# Altium PCB DIOT_temperature_logger.PcbDoc (part 1 of 8) (continued)
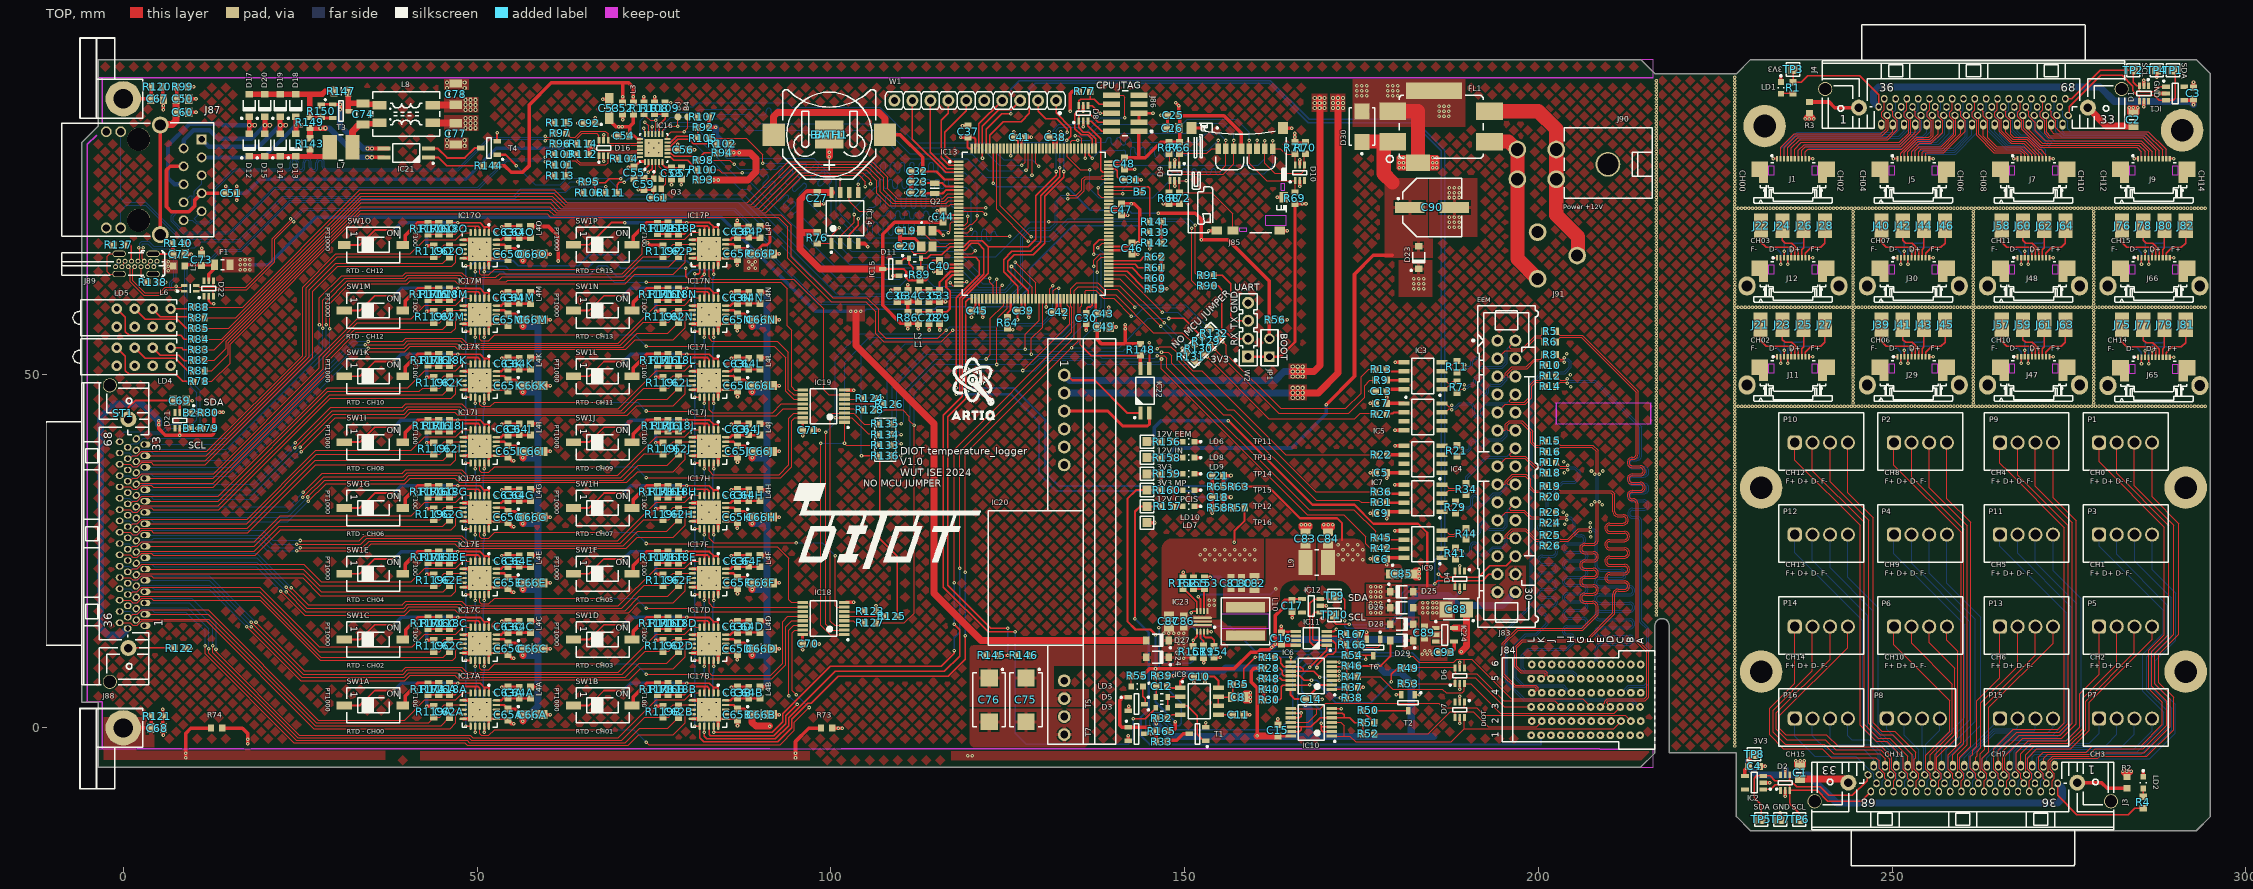
[diagram p0: TOP view]
## Design rules (kind name [scope] priority, off if disabled: settings) (continued)
RoutingVias [All] p2: holewidth=0.2 width=0.5 viastyle="Through Hole" minholewidth=0.2 minwidth=0.5 maxholewidth=1 maxwidth=2 viatemplateguid#1={F578D057-30EB-4709-90BA-9E25A9306484} viatemplateguid#2={B5D767B0-96F0-490E-9621-DF468C9DD5C8} viatemplateguid#3={A86ABFB5-DEF7-4A39-8B53-0CFF0DEED7D0} viatemplateguid#4={CC3703E4-4F4D-4ECC-8BAE-5075FE03B580} viatemplatename#1=v50h20m0mx0 viatemplatename#2=v66h33m0mx0 viatemplatename#3=v60h30 viatemplatename#4=v70h40m0mx0
SMDToCorner [All] p1: distance=0
SignalStimulus [All] p1: kind=1 level=0 starttime=10.00n stoptime=60.00n periodtime=100.0n
SilkToSilkClearance [All] p1: silktosilkclearance=0.076
SilkToSolderMaskClearance SilkscreenOverComponentPads [IsPad] p1: minsilkscreentomaskgap=0.102 clearancetoexposedcopper=TRUE
SolderMaskExpansion Via [isVia] p1: expansion=-0.015 istentingtop=TRUE
SolderMaskExpansion [All] p2: expansion=0.015 istentingtop=FALSE
StubLength StubLength_USB [InNetClass('USB')] p1: limit=1.27
StubLength StubLength_PHY_T [InNetClass('PHY_T')] p2: limit=1.27
StubLength StubLength_PHT [InNetClass('PHY')] p3: limit=1.27
StubLength StubLength_SD [All] p4: limit=1.27
StubLength StubLength_RMII [InNetClass('RMII')] p5: limit=1.27
SupplyNets "Schematic Supply Nets_26" [InNet('GND7')] p1: voltage=0.000
SupplyNets "Schematic Supply Nets_25" [InNet('GND8')] p2: voltage=0.000
SupplyNets "Schematic Supply Nets_24" [InNet('GND9')] p3: voltage=0.000
SupplyNets "Schematic Supply Nets_23" [InNet('GND6')] p4: voltage=0.000
SupplyNets "Schematic Supply Nets_22" [InNet('GND10')] p5: voltage=0.000
SupplyNets "Schematic Supply Nets_21" [InNet('GND3')] p6: voltage=0.000
SupplyNets "Schematic Supply Nets_20" [InNet('GND5')] p7: voltage=0.000
SupplyNets "Schematic Supply Nets_19" [InNet('GND4')] p8: voltage=0.000
SupplyNets "Schematic Supply Nets_17" [InNet('GND2')] p9: voltage=0.000
SupplyNets "Schematic Supply Nets_5" [InNet('GND1')] p10: voltage=0.000
SupplyNets "Schematic Supply Nets_18" [InNet('CHASSIS')] p11: voltage=0.000
SupplyNets "Schematic Supply Nets_8" [InNet('P3V3_EXP2')] p12: voltage=0.000
SupplyNets "Schematic Supply Nets_3" [InNet('P3V3_EXP1')] p13: voltage=0.000
SupplyNets "Schematic Supply Nets_16" [InNet('P12V0_CPCIS')] p14: voltage=0.000
SupplyNets "Schematic Supply Nets_15" [InNet('5V0_USB')] p15: voltage=0.000
SupplyNets "Schematic Supply Nets_14" [InNet('P12V0_IN')] p16: voltage=0.000
SupplyNets "Schematic Supply Nets_13" [InNet('GND')] p17: voltage=0.000
SupplyNets "Schematic Supply Nets_12" [InNet('P3V3_CPCIS')] p18: voltage=0.000
SupplyNets "Schematic Supply Nets_11" [InNet('P3V3')] p19: voltage=0.000
SupplyNets "Schematic Supply Nets_10" [InNet('P12V0F')] p20: voltage=0.000
SupplyNets "Schematic Supply Nets_9" [InNet('P12V0_POE')] p21: voltage=0.000
SupplyNets "Schematic Supply Nets_7" [InNet('P3V3_MP')] p22: voltage=0.000
SupplyNets "Schematic Supply Nets_6" [InNet('VBUS')] p23: voltage=0.000
SupplyNets "Schematic Supply Nets_4" [InNet('AVDDT_PHY')] p24: voltage=0.000
SupplyNets "Schematic Supply Nets_2" [InNet('VIN')] p25: voltage=0.000
SupplyNets "Schematic Supply Nets_1" [InNet('GNDF')] p26: voltage=0.000
SupplyNets "Schematic Supply Nets" [InNet('P12V0_EEM')] p27: voltage=0.000
UnRoutedNet [All] p1: checkbadconnections=TRUE
ViasUnderSMD ViasUnderSMD_QFN [HasFootprint('TSSOP28-EP') or HasFootprint('QFN65P500X500X80-21N-S335') or HasFootprint('QFN24_0R5_4X4') or HasFootprint('HVQFN-16') or HasFootprint('MICROCHIP_C04-143B')] p1: allowed=TRUE
ViasUnderSMD [All] p2: allowed=FALSE
Width Width_SDCard [InNetClass('SD')] p1: maxlimit=0.406 minlimit=0.102 preferedwidth=0.171 midlayer1_maxwidth=0.305 midlayer1_prefwidth=0.134 midlayer2_maxwidth=0.305 midlayer2_prefwidth=0.134 impedanceprofiledriven=TRUE impedanceprofileid={20DC70F6-4B95-4518-9551-CADF6722EEF5} impedanceprofilevalue=50.000000 minimp=50.000000 maximp=50.000000 favimp=50.000000
Width QSPI [InNetClass('QSPI')] p2: maxlimit=0.406 minlimit=0.102 preferedwidth=0.171 midlayer1_maxwidth=0.305 midlayer1_prefwidth=0.134 midlayer2_maxwidth=0.305 midlayer2_prefwidth=0.134 impedanceprofiledriven=TRUE impedanceprofileid={86676834-1970-432C-9602-162800B75D81} impedanceprofilevalue=50.000000 minimp=50.000000 maximp=50.000000 favimp=50.000000
Width RMII [InNetClass('RMII')] p3: maxlimit=0.203 minlimit=0.127 preferedwidth=0.171 toplayer_minwidth=0.152 midlayer1_prefwidth=0.134 midlayer2_prefwidth=0.134 bottomlayer_minwidth=0.152 impedanceprofiledriven=TRUE impedanceprofileid={95436CA8-0AF9-48FC-8836-A3859236161A} impedanceprofilevalue=50.000000 minimp=50.000000 maximp=50.000000 favimp=50.000000
Width Width_HPOW [InNetClass('HPOW')] p4: maxlimit=4 minlimit=0.254 preferedwidth=0.5
Width [All] p5: maxlimit=2 minlimit=0.1 preferedwidth=0.2 checkconnectedcopper=TRUE
17 further rules are at their usual default settings.

## Classes and differential pairs
polygon class COPPER_BALANCING: COPPER_BALLANCE_BOT COPPER_BALLANCE_TOP
net class SITempNetClass: 5V0_USB AVDDT_PHY CHASSIS GND GNDF P3V3 P3V3_CPCIS P3V3_EXP1 P3V3_EXP2 P3V3_MP P12V0_CPCIS P12V0_EEM P12V0_IN P12V0_POE P12V0F VBUS VIN
net class SITempNetClass: 5V0_USB AVDDT_PHY CHASSIS GND GNDF P3V3 P3V3_CPCIS P3V3_EXP1 P3V3_EXP2 P3V3_MP P12V0_CPCIS P12V0_EEM P12V0_IN P12V0_POE P12V0F VBUS VIN
net class SITempNetClass: 5V0_USB AVDDT_PHY CHASSIS GND GNDF P3V3 P3V3_CPCIS P3V3_EXP1 P3V3_EXP2 P3V3_MP P12V0_CPCIS P12V0_EEM P12V0_IN P12V0_POE P12V0F VBUS VIN
net class SITempNetClass: 5V0_USB AVDDT_PHY GND GNDF P3V3 P3V3_CPCIS P3V3_EXP1 P3V3_EXP2 P3V3_MP P12V0_CPCIS P12V0_EEM P12V0_IN P12V0_POE P12V0F VBUS VIN
net class SITempNetClass: 5V0_USB AVDDT_PHY GND GNDF P3V3 P3V3_CPCIS P3V3_EXP1 P3V3_EXP2 P3V3_MP P12V0_CPCIS P12V0_EEM P12V0_IN P12V0_POE P12V0F VBUS VIN
net class "Adapter T": TFORCE_N00 TFORCE_N01 TFORCE_N02 TFORCE_N03 TFORCE_N04 TFORCE_N05 TFORCE_N06 TFORCE_N07 TFORCE_N08 TFORCE_N09 TFORCE_N10 TFORCE_N11 TFORCE_N12 TFORCE_N13 TFORCE_N14 TFORCE_N15 TFORCE_P00 TFORCE_P01 TFORCE_P02 TFORCE_P03 TFORCE_P04 TFORCE_P05 TFORCE_P06 TFORCE_P07 TFORCE_P08 TFORCE_P09 TFORCE_P10 TFORCE_P11 TFORCE_P12 TFORCE_P13 TFORCE_P14 TFORCE_P15
component class Designator: C1 C2 C3 C4 D1 D2 IC1 IC2 J1 J2 J3 J4 J5 J6 J7 J8 J9 J10 J11 J12 J13 J14 J15 J16 J17 J18 J19 J20 J21 J22 J23 J24 J25 J26 J27 J28 J29 J30 J31 J32 J33 J34 J35 J36 J37 J38 J39 J40 J41 J42 J43 J44 J45 J46 J47 J48 J49 J50 J51 J52 J53 J54 J55 J56 J57 J58 J59 J60 J61 J62 J63 J64 J65 J66 J67 J68 J69 J70 J71 J72 J73 J74 J75 J76 J77 J78 J79 J80 J81 J82 LD1 LD2 P1 P2 P3 P4 P5 P6 P7 P8 P9 P10 P11 P12 P13 P14 P15 P16 R1 R2 R3 R4 TP1 TP2 TP3 TP4 TP5 TP6 TP7 TP8
net class SITempNetClass: 3V3 5V0_USB AVDDT_PHY GND GNDF P3V3 P3V3_CPCIS P3V3_MP P12V0_CPCIS P12V0_EEM P12V0_IN P12V0_POE P12V0F PHY_NRST RMII_CRS_DV RMII_REF_CLK RMII_RXD0 RMII_RXD1 RMII_TX_EN RMII_TXD0 RMII_TXD1 USB_N USB_P USBJ_N USBJ_P VBUS VIN
differential pair class PHY: PHY_RD PHY_TD
differential pair class PHY_T: RD TD
differential pair class USB: USB USBJ
differential pair class LVDS: BP_IO.LVDS0 BP_IO.LVDS1 BP_IO.LVDS2 BP_IO.LVDS3 BP_IO.LVDS4 BP_IO.LVDS5 BP_IO.LVDS6 BP_IO.LVDS7 LVDS0 LVDS1 LVDS2 LVDS3 LVDS4 LVDS5 LVDS6 LVDS7
net class PHY_T: RD_N RD_P TD_N TD_P
net class CS_MAX: MAX_CH_A0 MAX_CH_A1 MAX_CH_A2 MAX_CH_A3 MAX_CS00 MAX_CS01 MAX_CS02 MAX_CS03 MAX_CS04 MAX_CS05 MAX_CS06 MAX_CS07 MAX_CS08 MAX_CS09 MAX_CS10 MAX_CS11 MAX_CS12 MAX_CS13 MAX_CS14 MAX_CS15
net class POWE: 3V3 5V0_USB P3V3 P3V3_CPCIS P3V3_MP P12V0_CPCIS P12V0_EEM P12V0_IN P12V0_POE P12V0F POE_VC+ POE_VC- USB_VBUS VBAT VBUS VC+ VC- VDDA VDDCR VIN VREF+
net class JTAG: JRST RSTn SWCLK SWDIO TDI TDO
net class BP_IO: BP_IO.LVDS0_N BP_IO.LVDS0_P BP_IO.LVDS1_N BP_IO.LVDS1_P BP_IO.LVDS2_N BP_IO.LVDS2_P BP_IO.LVDS3_N BP_IO.LVDS3_P BP_IO.LVDS4_N BP_IO.LVDS4_P BP_IO.LVDS5_N BP_IO.LVDS5_P BP_IO.LVDS6_N BP_IO.LVDS6_P BP_IO.LVDS7_N BP_IO.LVDS7_P
net class USB: USB_N USB_P USBJ_N USBJ_P
net class DEBUG: JRST RSTn SWCLK SWDIO TDI TDO
net class SPI: CSN EEM_GPIO_0 EEM_GPIO_1 EEM_GPIO_2 EEM_GPIO_3 EEM_SCK EEM_SDI EEM_SDO SPI1_MISO SPI1_MOSI SPI1_NSS SPI1_SCK SPI4_CLK SPI4_MISO SPI4_MOSI SPI4_NSS
net class QSPI: QSPI_BK1_CLK QSPI_BK1_D0 QSPI_BK1_D1 QSPI_BK1_D2 QSPI_BK1_D3 QSPI_BK1_NSS
net class SD: SD_CK SD_CMD SD_D0 SD_D1 SD_D2 SD_D3
net class LVDS: LVDS0_N LVDS0_P LVDS1_N LVDS1_P LVDS2_N LVDS2_P LVDS3_N LVDS3_P LVDS4_N LVDS4_P LVDS5_N LVDS5_P LVDS6_N LVDS6_P LVDS7_N LVDS7_P
net class PHY: PHY_RD_N PHY_RD_P PHY_TD_N PHY_TD_P RD_N RD_P TD_N TD_P
net class RMII: PHY_NRST RMII_CRS_DV RMII_REF_CLK RMII_RXD0 RMII_RXD1 RMII_TX_EN RMII_TXD0 RMII_TXD1
net class PWR: P12V0_CPCIS
component class RTD_15: C62P C63P C64P C65P C66P IC17P L4P R116P R117P R118P R119P SW1P
component class RTD_14: C62O C63O C64O C65O C66O IC17O L4O R116O R117O R118O R119O SW1O
component class RTD_13: C62N C63N C64N C65N C66N IC17N L4N R116N R117N R118N R119N SW1N
component class RTD_12: C62M C63M C64M C65M C66M IC17M L4M R116M R117M R118M R119M SW1M
component class RTD_11: C62L C63L C64L C65L C66L IC17L L4L R116L R117L R118L R119L SW1L
component class RTD_10: C62K C63K C64K C65K C66K IC17K L4K R116K R117K R118K R119K SW1K
component class RTD_09: C62J C63J C64J C65J C66J IC17J L4J R116J R117J R118J R119J SW1J
component class RTD_08: C62I C63I C64I C65I C66I IC17I L4I R116I R117I R118I R119I SW1I
component class RTD_07: C62H C63H C64H C65H C66H IC17H L4H R116H R117H R118H R119H SW1H
component class RTD_06: C62G C63G C64G C65G C66G IC17G L4G R116G R117G R118G R119G SW1G
component class RTD_05: C62F C63F C64F C65F C66F IC17F L4F R116F R117F R118F R119F SW1F
component class RTD_04: C62E C63E C64E C65E C66E IC17E L4E R116E R117E R118E R119E SW1E
channel class RTD: RTD_00 RTD_01 RTD_02 RTD_03 RTD_04 RTD_05 RTD_06 RTD_07 RTD_08 RTD_09 RTD_10 RTD_11 RTD_12 RTD_13 RTD_14 RTD_15
component class RTD_03: C62D C63D C64D C65D C66D IC17D L4D R116D R117D R118D R119D SW1D
component class RTD_02: C62C C63C C64C C65C C66C IC17C L4C R116C R117C R118C R119C SW1C
component class RTD_01: C62B C63B C64B C65B C66B IC17B L4B R116B R117B R118B R119B SW1B
component class RTD_00: C62A C63A C64A C65A C66A IC17A L4A R116A R117A R118A R119A SW1A
net class HPOW: NetC74_1 NetC74_2 P12V0_POE POE_VC+ POE_VC- VC+ VC- VIN
component class EEM_connector: C5 C6 C7 C8 C9 C10 C11 C12 C13 C14 C15 C16 C17 D3 D4 D5 D6 D7 IC3 IC4 IC5 IC6 IC7 IC8 IC9 IC10 IC11 IC12 J83 J84 LD3 R5 R6 R7 R8 R9 R10 R11 R12 R13 R14 R15 R16 R17 R18 R19 R20 R21 R22 R23 R24 R25 R26 R27 R28 R29 R30 R31 R32 R33 R34 R35 R36 R37 R38 R39 R40 R41 R42 R43 R44 R45 R46 R47 R48 R49 R50 R51 R52 R53 R54 R55 R165 R166 R167 T1 T2 T5 T6 T7 TP9 TP10
component class Thermostat_16CH: C67 C68 C69 C70 C71 D21 IC18 IC19 J88 R73 R74 R120 R121 R122 R123 R124 R125 R126 R127 R128 R129 R130 R131 R132 R133 R134 R135 R136 SCREW5 SCREW6 SCREW7 SCREW8 ST1 Standoff1 Standoff2 Standoff4
net class HV: NetC74_1 NetC74_2 NetIC20_3 NetIC21_3 NetIC21_4 POE_IN1 POE_IN2 POE_IN3 POE_IN4 POE_VC+ POE_VC- VC+ VC-
component class USB: C72 C73 D22 F1 J89 L5 L6 R137 R138 R139 R140 R141 R142
component class U_STM32_F4CPU: B1 B2 B5 BAT1 BATH1 C18 C19 C20 C21 C22 C23 C25 C26 C27 C28 C29 C30 C31 C32 C33 C34 C35 C36 C37 C38 C39 C40 C41 C42 C43 C44 C45 C46 C47 C48 C49 D8 D9 D10 D11 IC13 IC14 IC15 J85 J86 JP1 L1 L2 LD4 LD5 Q1 Q2 R56 R57 R58 R59 R60 R61 R62 R63 R64 R65 R66 R67 R68 R69 R70 R71 R72 R76 R77 R78 R79 R80 R81 R82 R83 R84 R85 R86 R87 R88 R89 R90 R91 W1 W2
component class RMII_Ethernet: B3 B4 C50 C51 C52 C53 C54 C55 C56 C57 C58 C59 C60 C61 C92 D12 D13 D14 D15 D16 D17 D18 D19 D20 IC16 J87 L3 R92 R93 R94 R95 R96 R97 R98 R99 R100 R101 R102 R103 R104 R105 R106 R107 R108 R109 R110 R111 R112 R113 R114 R115
component class U_Thermostat_Supply: C74 C75 C76 C77 C78 C79 C80 C81 C82 C83 C84 C85 C86 C87 C88 C89 C90 C93 D23 D24 D25 D26 D27 D28 D29 D30 FL1 IC20 IC21 IC22 IC23 IC24 J90 J91 L7 L8 L9 L10 LD6 LD7 LD8 LD9 LD10 R143 R144 R145 R146 R147 R148 R149 R150 R151 R152 R153 R154 R155 R156 R157 R158 R159 R160 T3 T4 TP11 TP12 TP13 TP14 TP15 TP16
differential pair BP_IO.LVDS1: +BP_IO.LVDS1_P -BP_IO.LVDS1_N
differential pair BP_IO.LVDS0: +BP_IO.LVDS0_P -BP_IO.LVDS0_N
differential pair BP_IO.LVDS3: +BP_IO.LVDS3_P -BP_IO.LVDS3_N
differential pair BP_IO.LVDS7: +BP_IO.LVDS7_P -BP_IO.LVDS7_N
differential pair BP_IO.LVDS6: +BP_IO.LVDS6_P -BP_IO.LVDS6_N
differential pair BP_IO.LVDS5: +BP_IO.LVDS5_P -BP_IO.LVDS5_N
differential pair BP_IO.LVDS4: +BP_IO.LVDS4_P -BP_IO.LVDS4_N
differential pair BP_IO.LVDS2: +BP_IO.LVDS2_P -BP_IO.LVDS2_N
differential pair LVDS7: +LVDS7_P -LVDS7_N
differential pair LVDS6: +LVDS6_P -LVDS6_N
differential pair LVDS5: +LVDS5_P -LVDS5_N
differential pair LVDS4: +LVDS4_P -LVDS4_N
differential pair LVDS3: +LVDS3_P -LVDS3_N
differential pair LVDS2: +LVDS2_P -LVDS2_N
differential pair LVDS1: +LVDS1_P -LVDS1_N
differential pair LVDS0: +LVDS0_P -LVDS0_N
differential pair TD: +TD_P -TD_N
differential pair RD: +RD_P -RD_N
differential pair USB: +USB_P -USB_N
differential pair USBJ: +USBJ_P -USBJ_N
differential pair PHY_TD: +PHY_TD_P -PHY_TD_N
differential pair PHY_RD: +PHY_RD_P -PHY_RD_N

## Components (designator, comment, footprint, x,y, rotation, side; value= is the part's Value field where it differs from the comment)
B1 "SMD Pad" C100 9.48,42.35 r90 top
B2 "SMD Pad" C100 9.48,44.55 r90 top
B3 "SMD Pad" C100 78.38,86.35 r0 top
B4 "SMD Pad" C100 79.78,86.35 r0 top
B5 "SMD Pad" C100 143.78,75.75 r90 top
BAT1 "3V" BAT_VARTA_CR1220 99.78,83.85 r0 top
BATH1 "Value" BATH_KEYSTONE_3000 99.78,83.85 r0 top locked
C1 "Undefined" CAPC2012X135N 236.98,-6.35 r270 top
C2 "Undefined" CAPC2012X135N 284.08,85.95 r270 top
C3 "100nF" CAPC1608X87N 292.58,89.65 r270 top
C4 "100nF" CAPC1608X87N 230.48,-5.45 r180 top
C5 "100nF" CAPC1608X87N 177.78,36.05 r180 top
C6 "100nF" CAPC1608X87N 177.78,23.85 r180 top
C7 "100nF" CAPC1608X87N 177.78,45.85 r0 top
C8 "22uF" CAPC2012X135N 157.58,4.35 r180 top
C9 "100nF" CAPC1608X87N 177.78,30.35 r180 top
C10 "100nF" CAPC1608X87N 152.08,7.25 r0 top
C11 "100nF" CAPC1608X87N 157.58,1.85 r180 top
C12 "1uF" CAPC1608X87N 146.78,5.85 r180 top
C13 "100nF" CAPC1608X87N 177.78,47.55 r180 top
C14 "100nF" CAPC1608X87N 167.88,4.05 r180 top
C15 "100nF" CAPC1608X87N 163.18,-0.35 r270 top
C16 "100nF" CAPC1608X87N 163.68,12.65 r270 top
C17 "100nF" CAPC1608X87N 165.18,17.25 r90 top
C18 "100nF" CAPC1608X87N 154.68,32.6 r0 top
C19 "18pF" CAPC1608X87N 110.58,70.25 r0 top
C20 "18pF" CAPC1608X87N 110.58,68.05 r180 top
C21 "100nF" CAPC1608X87N 154.68,35.65 r0 top
C22 "12pF" CAPC1608X87N 112.18,75.65 r180 top
C23 "12pF" CAPC1608X87N 112.18,77.15 r180 top
C25 "100nF" CAPC1608X87N 148.38,86.55 r0 top
C26 "22uF" CAPC2012X135N 148.28,84.75 r0 top
C27 "100nF" CAPC1608X87N 98.08,74.85 r90 top
C28 "1uF" CAPC1608X87N 113.88,57.95 r90 top
C29 "10nF" CAPC1608X87N 115.38,57.95 r90 top
C30 "2.2uF" CAPC1608X90N 136.08,57.85 r90 top
C31 "2.2uF" CAPC1608X90N 142.28,77.45 r180 top
C32 "100nF" CAPC1608X87N 112.18,78.65 r0 top
C33 "10nF" CAPC1608X87N 115.38,61.05 r90 top
C34 "1uF" CAPC1608X87N 110.88,61.05 r270 top
C35 "100nF" CAPC1608X87N 113.88,61.05 r90 top
C36 "100nF" CAPC1608X87N 109.38,61.05 r270 top
C37 "100nF" CAPC1608X87N 119.405,84.275 r270 top
C38 "100nF" CAPC1608X87N 131.68,83.45 r180 top
C39 "100nF" CAPC1608X87N 127.18,58.95 r0 top
C40 "100nF" CAPC1608X87N 115.38,65.25 r90 top
C41 "100nF" CAPC1608X87N 126.68,83.45 r180 top
C42 "100nF" CAPC1608X87N 132.18,58.75 r0 top
C43 "100nF" CAPC1608X87N 138.48,58.55 r180 top
C44 "100nF" CAPC1608X87N 115.88,72.25 r270 top
C45 "100nF" CAPC1608X87N 120.68,58.95 r0 top
C46 "100nF" CAPC1608X87N 142.58,67.75 r90 top
C47 "100nF" CAPC1608X87N 141.08,73.25 r90 top
C48 "100nF" CAPC1608X87N 141.48,79.75 r90 top
C49 "22uF" CAPC2012X135N 138.58,56.65 r180 top
C50 "Undefined" CAPC2012X135N 8.38,88.9 r0 top
C51 "100nF" CAPC1608X87N 15.255,75.55 r180 top
C52 "100nF" CAPC1608X87N 70.58,87.55 r90 top
C53 "10uF" CAPMP3216X180N 68.68,87.55 r90 top
C54 "100nF" CAPC1608X87N 70.755,83.65 r0 top
C55 "100nF" CAPC1608X87N 72.18,78.45 r90 top
C56 "100nF" CAPC1608X87N 79.155,81.7 r180 top
C57 "1uF" CAPC1608X87N 78.88,78.35 r90 top
C58 "10nF" CAPC1608X87N 77.48,78.35 r90 top
C59 "18pF" CAPC1608X87N 73.58,76.85 r90 top
C60 "Undefined" CAPC2012X135N 8.38,87 r0 top
C61 "18pF" CAPC1608X87N 75.48,74.95 r0 top
C62A "100nF" CAPC1608X87N 46.08,2.275 r90 top (schematic designator C62)
C62B "100nF" CAPC1608X87N 78.48,2.275 r90 top (schematic designator C62)
C62C "100nF" CAPC1608X87N 46.08,11.575 r90 top (schematic designator C62)
C62D "100nF" CAPC1608X87N 78.48,11.575 r90 top (schematic designator C62)
C62E "100nF" CAPC1608X87N 46.08,20.875 r90 top (schematic designator C62)
C62F "100nF" CAPC1608X87N 78.48,20.875 r90 top (schematic designator C62)
C62G "100nF" CAPC1608X87N 46.08,30.175 r90 top (schematic designator C62)
C62H "100nF" CAPC1608X87N 78.48,30.175 r90 top (schematic designator C62)
C62I "100nF" CAPC1608X87N 46.08,39.475 r90 top (schematic designator C62)
C62J "100nF" CAPC1608X87N 78.48,39.475 r90 top (schematic designator C62)
C62K "100nF" CAPC1608X87N 46.08,48.775 r90 top (schematic designator C62)
C62L "100nF" CAPC1608X87N 78.48,48.775 r90 top (schematic designator C62)
C62M "100nF" CAPC1608X87N 46.08,58.075 r90 top (schematic designator C62)
C62N "100nF" CAPC1608X87N 78.48,58.075 r90 top (schematic designator C62)
C62O "100nF" CAPC1608X87N 46.08,67.35 r90 top (schematic designator C62)
C62P "100nF" CAPC1608X87N 78.48,67.375 r90 top (schematic designator C62)
C63A "100nF" CAPC1608X87N 54.38,4.975 r270 top (schematic designator C63)
C63B "100nF" CAPC1608X87N 86.78,4.975 r270 top (schematic designator C63)
C63C "100nF" CAPC1608X87N 54.38,14.275 r270 top (schematic designator C63)
C63D "100nF" CAPC1608X87N 86.78,14.275 r270 top (schematic designator C63)
C63E "100nF" CAPC1608X87N 54.38,23.575 r270 top (schematic designator C63)
C63F "100nF" CAPC1608X87N 86.78,23.575 r270 top (schematic designator C63)
C63G "100nF" CAPC1608X87N 54.38,32.875 r270 top (schematic designator C63)
C63H "100nF" CAPC1608X87N 86.78,32.875 r270 top (schematic designator C63)
C63I "100nF" CAPC1608X87N 54.38,42.175 r270 top (schematic designator C63)
C63J "100nF" CAPC1608X87N 86.78,42.175 r270 top (schematic designator C63)
C63K "100nF" CAPC1608X87N 54.38,51.475 r270 top (schematic designator C63)
C63L "100nF" CAPC1608X87N 86.78,51.475 r270 top (schematic designator C63)
C63M "100nF" CAPC1608X87N 54.38,60.775 r270 top (schematic designator C63)
C63N "100nF" CAPC1608X87N 86.78,60.775 r270 top (schematic designator C63)
C63O "100nF" CAPC1608X87N 54.38,70.05 r270 top (schematic designator C63)
C63P "100nF" CAPC1608X87N 86.78,70.075 r270 top (schematic designator C63)
C64A "2.2uF" CAPC1608X90N 55.98,4.975 r270 top (schematic designator C64)
C64B "2.2uF" CAPC1608X90N 88.38,4.975 r270 top (schematic designator C64)
C64C "2.2uF" CAPC1608X90N 55.98,14.275 r270 top (schematic designator C64)
C64D "2.2uF" CAPC1608X90N 88.38,14.275 r270 top (schematic designator C64)
C64E "2.2uF" CAPC1608X90N 55.98,23.575 r270 top (schematic designator C64)
C64F "2.2uF" CAPC1608X90N 88.38,23.575 r270 top (schematic designator C64)
C64G "2.2uF" CAPC1608X90N 55.98,32.875 r270 top (schematic designator C64)
C64H "2.2uF" CAPC1608X90N 88.38,32.875 r270 top (schematic designator C64)
C64I "2.2uF" CAPC1608X90N 55.98,42.175 r270 top (schematic designator C64)
C64J "2.2uF" CAPC1608X90N 88.38,42.175 r270 top (schematic designator C64)
C64K "2.2uF" CAPC1608X90N 55.98,51.475 r270 top (schematic designator C64)
C64L "2.2uF" CAPC1608X90N 88.38,51.475 r270 top (schematic designator C64)
C64M "2.2uF" CAPC1608X90N 55.98,60.775 r270 top (schematic designator C64)
C64N "2.2uF" CAPC1608X90N 88.38,60.775 r270 top (schematic designator C64)
C64O "2.2uF" CAPC1608X90N 55.98,70.05 r270 top (schematic designator C64)
C64P "2.2uF" CAPC1608X90N 88.38,70.075 r270 top (schematic designator C64)
C65A "100nF" CAPC1608X87N 54.38,1.875 r90 top (schematic designator C65)
C65B "100nF" CAPC1608X87N 86.78,1.875 r90 top (schematic designator C65)
C65C "100nF" CAPC1608X87N 54.38,11.175 r90 top (schematic designator C65)
C65D "100nF" CAPC1608X87N 86.78,11.175 r90 top (schematic designator C65)
C65E "100nF" CAPC1608X87N 54.38,20.475 r90 top (schematic designator C65)
C65F "100nF" CAPC1608X87N 86.78,20.475 r90 top (schematic designator C65)
C65G "100nF" CAPC1608X87N 54.38,29.775 r90 top (schematic designator C65)
C65H "100nF" CAPC1608X87N 86.78,29.775 r90 top (schematic designator C65)
C65I "100nF" CAPC1608X87N 54.38,39.075 r90 top (schematic designator C65)
C65J "100nF" CAPC1608X87N 86.78,39.075 r90 top (schematic designator C65)
C65K "100nF" CAPC1608X87N 54.38,48.375 r90 top (schematic designator C65)
C65L "100nF" CAPC1608X87N 86.78,48.375 r90 top (schematic designator C65)
C65M "100nF" CAPC1608X87N 54.38,57.675 r90 top (schematic designator C65)
C65N "100nF" CAPC1608X87N 86.78,57.675 r90 top (schematic designator C65)
C65O "100nF" CAPC1608X87N 54.38,66.95 r90 top (schematic designator C65)
C65P "100nF" CAPC1608X87N 86.78,66.975 r90 top (schematic designator C65)
C66A "10uF" CAPMP3216X180N 57.78,1.875 r0 top (schematic designator C66)
C66B "10uF" CAPMP3216X180N 90.18,1.875 r0 top (schematic designator C66)
C66C "10uF" CAPMP3216X180N 57.78,11.175 r0 top (schematic designator C66)
C66D "10uF" CAPMP3216X180N 90.18,11.175 r0 top (schematic designator C66)
C66E "10uF" CAPMP3216X180N 57.79,20.475 r0 top (schematic designator C66)
C66F "10uF" CAPMP3216X180N 90.18,20.475 r0 top (schematic designator C66)
C66G "10uF" CAPMP3216X180N 57.78,29.775 r0 top (schematic designator C66)
C66H "10uF" CAPMP3216X180N 90.18,29.775 r0 top (schematic designator C66)
C66I "10uF" CAPMP3216X180N 57.78,39.075 r0 top (schematic designator C66)
C66J "10uF" CAPMP3216X180N 90.18,39.075 r0 top (schematic designator C66)
C66K "10uF" CAPMP3216X180N 57.78,48.375 r0 top (schematic designator C66)
C66L "10uF" CAPMP3216X180N 90.18,48.375 r0 top (schematic designator C66)
C66M "10uF" CAPMP3216X180N 57.78,57.675 r0 top (schematic designator C66)
C66N "10uF" CAPMP3216X180N 90.18,57.675 r0 top (schematic designator C66)
C66O "10uF" CAPMP3216X180N 57.78,66.95 r0 top (schematic designator C66)
C66P "10uF" CAPMP3216X180N 90.18,66.975 r0 top (schematic designator C66)
C67 "Undefined" CAPC2012X135N 4.78,88.9 r0 top
C68 "Undefined" CAPC2012X135N 4.78,-0.05 r0 top
C69 "Undefined" CAPC2012X135N 7.98,46.25 r180 top
C70 "100nF" CAPC1608X87N 96.78,11.85 r180 top
C71 "100nF" CAPC1608X87N 96.78,42.05 r180 top
C72 "Undefined" CAPC2012X135N 7.88,66.95 r180 top
C73 "100nF" CAPC1608X87N 11.08,66.15 r270 top
C74 "4.7nF" CAPC3216X140N 33.88,86.75 r270 top
C75 "220uF" CAPMP7343X430N 127.58,3.95 r270 top
C76 "220uF" CAPMP7343X430N 122.38,3.95 r270 top
C77 "4.7nF" CAPC3216X140N 46.98,83.95 r90 top
C78 "4.7nF" CAPC3216X140N 46.98,89.55 r270 top
C79 "100nF" CAPC1608X87N 152.68,10.75 r90 top
C80 "100nF" CAPC1608X87N 158.047,20.45 r270 top
C81 "100nF" CAPC1608X87N 156.547,20.45 r270 top
C82 "22uF" CAPC2012X135N 159.88,20.45 r270 top
C83 "22uF" CAPC2012X135N 167.08,26.75 r270 top
C84 "22uF" CAPC2012X135N 170.28,26.75 r270 top
C85 "10uF" CAPMP3216X180N 180.68,21.75 r0 top
C86 "100nF" CAPC1608X87N 149.88,15.05 r270 top
C87 "22uF" CAPC2012X135N 147.78,15.05 r270 top
C88 "2.2uF" CAPMP3528X210N 188.38,16.75 r180 top
C89 "1uF" CAPC1608X87N 183.88,13.45 r90 top
C90 "220uF" CAPAE830X620N 184.98,73.55 r0 top
C92 "100nF" CAPC1608X87N 65.88,85.45 r180 top
C93 "100nF" CAPC1608X87N 186.78,10.65 r0 top
D1 "DRTR5V0U4S-7" SOT65P210X110-6N 285.58,89.65 r270 top
D2 "DRTR5V0U4S-7" SOT65P210X110-6N 234.88,-7.75 r90 top
D3 "CDBU0520-HF" SOD-523F 146.78,2.85 r0 top
D4 "DRTR5V0U4S-7" SOT65P210X110-6N 188.88,21.05 r270 top
D5 "CDBU0520-HF" SOD-523F 146.78,4.35 r0 top
D6 "DRTR5V0U4S-7" SOT65P210X110-6N 188.88,7.35 r90 top
D7 "DRTR5V0U4S-7" SOT65P210X110-6N 188.88,2.55 r270 top
D8 "DRTR5V0U4S-7" SOT65P210X110-6N 135.68,86.85 r90 top
D9 "DRTR5V0U4S-7" SOT65P210X110-6N 148.58,78.45 r270 top
D10 "DRTR5V0U4S-7" SOT65P210X110-6N 166.28,78.45 r90 top
D11 "CDBU0520-HF" SOD-523F 111.88,66.35 r0 top
D12 "PMEG6020ER" SODFL3517X110N 17.78,82.35 r90 top
D13 "PMEG6020ER" SODFL3517X110N 24.38,82.35 r90 top
D14 "PMEG6020ER" SODFL3517X110N 22.18,82.35 r90 top
D15 "PMEG6020ER" SODFL3517X110N 19.98,82.35 r90 top
D16 "DRTR5V0U4S-7" SOT65P210X110-6N 67.88,81.95 r90 top
D17 "PMEG6020ER" SODFL3517X110N 17.78,87.95 r90 top
D18 "PMEG6020ER" SODFL3517X110N 24.38,87.95 r90 top
D19 "PMEG6020ER" SODFL3517X110N 22.18,87.95 r90 top
D20 "PMEG6020ER" SODFL3517X110N 19.98,87.95 r90 top
D21 "DRTR5V0U4S-7" SOT65P210X110-6N 7.98,43.45 r270 top
D22 "DRTR5V0U4S-7" SOT65P210X110-6N 12.08,62.1 r90 top
D23 "PMEG6020ER" SODFL3517X110N 183.08,66.45 r90 top
D24 "PMEG6020ER" SODFL3517X110N 146.18,9.95 r180 top
D25 "PMEG6020ER" SODFL3517X110N 180.68,19.25 r0 top
D26 "PMEG6020ER" SODFL3517X110N 180.68,16.95 r0 top
D27 "PMEG6020ER" SODFL3517X110N 146.18,12.35 r180 top
D28 "PMEG6020ER" SODFL3517X110N 180.68,14.65 r180 top
D29 "PMEG6020ER" SODFL3517X110N 180.68,12.35 r180 top
D30 "SMBJ15A" DIOM5336X265N 175.055,84.95 r90 top
F1 "500mA-6V" FUSR_BOURNS_MF-PSMF050 14.005,65.45 r180 top
FL1 "10A/50VDC" FIL_MURATA_BNX02 186.255,84.95 r180 top
IC1 "24AA02E48T-I/OT" SOT95P280X145-5N 289.98,89.65 r0 top
IC2 "24AA02E48T-I/OT" SOT95P280X145-5N 230.48,-7.75 r180 top
IC3 "FIN1028MX" SOIC127P600X175-8N 183.68,49.75 r180 top
IC4 "FIN1028MX" SOIC127P600X175-8N 183.68,37.95 r180 top
IC5 "FIN1027AMX" SOIC127P600X175-8N 183.68,43.95 r0 top
IC6 "74HC4066PW" SOP65P640X110-14N 167.88,7.35 r180 top
IC7 "FIN1028MX" SOIC127P600X175-8N 183.68,32.45 r180 top
IC8 "TLC555ID" SOIC127P600X175-8N 152.08,3.75 r0 top
IC9 "FIN1028MX" SOIC127P600X175-8N 183.68,25.95 r180 top
IC10 "74HC4066PW" SOP65P640X110-14N 167.88,0.775 r180 top
IC11 "LM75AIMM/NOPB" SOP65P490X109-8N 167.88,12.65 r180 top
IC12 "24AA02E48T-I/OT" SOT95P280X145-5N 167.88,17.25 r180 top
IC13 "STM32H743ZIT6" FP-LQFP144-1A-MFG 128.68,71.25 r0 top locked
IC14 "W25Q128FVSIG" SOIC127P790X216-8N 101.98,72.05 r90 top
IC15 "STM809SWX6F" SOT95P237X112-3N 108.48,64.85 r180 top
IC16 "LAN8742A-CZ" MICROCHIP_C04-143B 74.98,81.95 r90 top
IC17A "MAX31865ATP+" QFN65P500X500X80-21N-S335#1 50.38,2.575 r270 top (schematic designator IC17)
IC17B "MAX31865ATP+" QFN65P500X500X80-21N-S335#1 82.78,2.575 r270 top (schematic designator IC17)
IC17C "MAX31865ATP+" QFN65P500X500X80-21N-S335#1 50.38,11.875 r270 top (schematic designator IC17)
IC17D "MAX31865ATP+" QFN65P500X500X80-21N-S335#1 82.78,11.875 r270 top (schematic designator IC17)
IC17E "MAX31865ATP+" QFN65P500X500X80-21N-S335#1 50.38,21.175 r270 top (schematic designator IC17)
IC17F "MAX31865ATP+" QFN65P500X500X80-21N-S335#1 82.78,21.175 r270 top (schematic designator IC17)
IC17G "MAX31865ATP+" QFN65P500X500X80-21N-S335#1 50.38,30.475 r270 top (schematic designator IC17)
IC17H "MAX31865ATP+" QFN65P500X500X80-21N-S335#1 82.78,30.475 r270 top (schematic designator IC17)
IC17I "MAX31865ATP+" QFN65P500X500X80-21N-S335#1 50.38,39.775 r270 top (schematic designator IC17)
IC17J "MAX31865ATP+" QFN65P500X500X80-21N-S335#1 82.78,39.775 r270 top (schematic designator IC17)
IC17K "MAX31865ATP+" QFN65P500X500X80-21N-S335#2 50.38,49.075 r270 top (schematic designator IC17)
IC17L "MAX31865ATP+" QFN65P500X500X80-21N-S335#1 82.78,49.075 r270 top (schematic designator IC17)
IC17M "MAX31865ATP+" QFN65P500X500X80-21N-S335#1 50.38,58.375 r270 top (schematic designator IC17)
IC17N "MAX31865ATP+" QFN65P500X500X80-21N-S335#1 82.78,58.375 r270 top (schematic designator IC17)
IC17O "MAX31865ATP+" QFN65P500X500X80-21N-S335#1 50.38,67.65 r270 top (schematic designator IC17)
IC17P "MAX31865ATP+" QFN65P500X500X80-21N-S335#1 82.78,67.675 r270 top (schematic designator IC17)
IC18 "74HC138PW" SOP65P640X110-16N 98.955,15.45 r180 top
IC19 "74HC138PW" SOP65P640X110-16N 98.98,45.45 r180 top
IC20 "AG5300" SILVERTEL_AG5300 132.98,24.45 r270 top
IC21 "ACPL-217-500E" SOIC127P700X242-4N 39.98,81.25 r180 top
IC22 "ACPL-217-500E" SOIC127P700X242-4N 144.38,47.65 r90 top
IC23 "TPS62148RGX" TEXAS_RGX0011A 152.48,15.05 r180 top
IC24 "MIC5219-3.3YM5" SOT95P280X145-5N 186.78,13.15 r0 top
J1 "FFC/FPC" MOLEX_52745-1097 235.98,80.45 r0 top
J2 "FFC/FPC" MOLEX_52745-1097 235.98,80.45 r180 bottom
J3 "DNP" MOLEX_71430-0013 259.98,-7.25 r180 top locked
J4 "DNP" MOLEX_71430-0013 261.48,87.15 r0 top locked
J5 "FFC/FPC" MOLEX_52745-1097 252.979,80.45 r0 top
J6 "FFC/FPC" MOLEX_52745-1097 252.98,80.45 r180 bottom
J7 "FFC/FPC" MOLEX_52745-1097 269.98,80.45 r0 top
J8 "FFC/FPC" MOLEX_52745-1097 269.98,80.45 r180 bottom
J9 "FFC/FPC" MOLEX_52745-1097 286.98,80.45 r0 top
J10 "FFC/FPC" MOLEX_52745-1097 286.98,80.45 r180 bottom
J11 "FFC/FPC" MOLEX_52745-1097 235.98,52.45 r0 top
J12 "FFC/FPC" MOLEX_52745-1097 235.98,66.45 r0 top
J13 "SMD Pad" R350X200 231.38,56.95 r270 bottom
J14 "SMD Pad" R350X200 231.48,70.95 r90 bottom
J15 "SMD Pad" R350X200 234.48,56.95 r270 bottom
J16 "SMD Pad" R350X200 234.48,70.95 r90 bottom
J17 "SMD Pad" R350X200 237.48,56.95 r270 bottom
J18 "SMD Pad" R350X200 237.48,70.95 r90 bottom
J19 "SMD Pad" R350X200 240.48,56.95 r270 bottom
J20 "SMD Pad" R350X200 240.48,70.95 r90 bottom
J21 "SMD Pad" R350X200 231.38,56.95 r90 top
J22 "SMD Pad" R350X200 231.48,70.95 r90 top
J23 "SMD Pad" R350X200 234.48,56.95 r90 top
J24 "SMD Pad" R350X200 234.48,70.95 r90 top
J25 "SMD Pad" R350X200 237.48,56.95 r90 top
J26 "SMD Pad" R350X200 237.48,70.95 r90 top
J27 "SMD Pad" R350X200 240.48,56.95 r90 top
J28 "SMD Pad" R350X200 240.48,70.95 r90 top
J29 "FFC/FPC" MOLEX_52745-1097 252.98,52.45 r0 top
J30 "FFC/FPC" MOLEX_52745-1097 252.98,66.45 r0 top
J31 "SMD Pad" R350X200 248.48,56.95 r270 bottom
J32 "SMD Pad" R350X200 248.48,70.95 r90 bottom
J33 "SMD Pad" R350X200 251.48,56.95 r270 bottom
J34 "SMD Pad" R350X200 251.48,70.95 r90 bottom
J35 "SMD Pad" R350X200 254.48,56.95 r270 bottom
J36 "SMD Pad" R350X200 254.48,70.95 r90 bottom
J37 "SMD Pad" R350X200 257.48,56.95 r270 bottom
J38 "SMD Pad" R350X200 257.48,70.95 r90 bottom
J39 "SMD Pad" R350X200 248.48,56.95 r90 top
J40 "SMD Pad" R350X200 248.48,70.95 r90 top
J41 "SMD Pad" R350X200 251.48,56.95 r90 top
J42 "SMD Pad" R350X200 251.48,70.95 r90 top
J43 "SMD Pad" R350X200 254.48,56.95 r90 top
J44 "SMD Pad" R350X200 254.48,70.95 r90 top
J45 "SMD Pad" R350X200 257.48,56.95 r90 top
J46 "SMD Pad" R350X200 257.48,70.95 r90 top
J47 "FFC/FPC" MOLEX_52745-1097 269.98,52.45 r0 top
J48 "FFC/FPC" MOLEX_52745-1097 269.98,66.45 r0 top
J49 "SMD Pad" R350X200 265.48,56.95 r270 bottom
J50 "SMD Pad" R350X200 265.48,70.95 r90 bottom
J51 "SMD Pad" R350X200 268.48,56.95 r270 bottom
J52 "SMD Pad" R350X200 268.48,70.95 r90 bottom
J53 "SMD Pad" R350X200 271.48,56.95 r270 bottom
J54 "SMD Pad" R350X200 271.48,70.95 r90 bottom
J55 "SMD Pad" R350X200 274.48,56.95 r270 bottom
J56 "SMD Pad" R350X200 274.48,70.95 r90 bottom
J57 "SMD Pad" R350X200 265.48,56.95 r90 top
J58 "SMD Pad" R350X200 265.48,70.95 r90 top
J59 "SMD Pad" R350X200 268.48,56.95 r90 top
J60 "SMD Pad" R350X200 268.48,70.95 r90 top
J61 "SMD Pad" R350X200 271.48,56.95 r90 top
J62 "SMD Pad" R350X200 271.48,70.95 r90 top
J63 "SMD Pad" R350X200 274.48,56.95 r90 top
J64 "SMD Pad" R350X200 274.48,70.95 r90 top
J65 "FFC/FPC" MOLEX_52745-1097 286.98,52.375 r0 top
J66 "FFC/FPC" MOLEX_52745-1097 286.98,66.45 r0 top
J67 "SMD Pad" R350X200 282.48,56.95 r90 bottom
J68 "SMD Pad" R350X200 282.48,70.95 r90 bottom
J69 "SMD Pad" R350X200 285.48,56.95 r90 bottom
J70 "SMD Pad" R350X200 285.48,70.95 r90 bottom
J71 "SMD Pad" R350X200 288.48,56.95 r90 bottom
J72 "SMD Pad" R350X200 288.48,70.95 r90 bottom
J73 "SMD Pad" R350X200 291.48,56.95 r90 bottom
J74 "SMD Pad" R350X200 291.48,70.95 r90 bottom
J75 "SMD Pad" R350X200 282.48,56.95 r270 top
J76 "SMD Pad" R350X200 282.48,70.95 r90 top
J77 "SMD Pad" R350X200 285.48,56.95 r270 top
J78 "SMD Pad" R350X200 285.48,70.95 r90 top
J79 "SMD Pad" R350X200 288.48,56.95 r270 top
J80 "SMD Pad" R350X200 288.48,70.95 r90 top
J81 "SMD Pad" R350X200 291.48,56.95 r270 top
J82 "SMD Pad" R350X200 291.48,70.95 r90 top
J83 "Header 30" 3M_N2530-6002RB 195.48,36.95 r270 top locked
J84 "AirMax VS" AMPHENOL_10052825-101LF 206.719,3.95 r90 top
J85 "microSD" MOLEX_502570-0893 158.58,81.85 r0 top locked
J86 "Header 10" HARWIN_M50-3600542 141.58,86.85 r90 top
J87 "RJ45" ABRACON_ARJM11C7-114-BA-EW2 2.18,77.45 r270 top
J88 "DNP" MOLEX_71430-0013 1.23,27.45 r90 top
J89 "USB 2.0" KYCON_KUSBX-SL-CS1N14-B 1.61,65.56 r270 top
J90 "Mini-Fit Jr.™" MOLEX_39-30-0040 199.771,79.635 r270 top
J91 "Jack" SWITCHCRAFT_L712RA 199.88,63.45 r180 top
JP1 "1798942 (goldpin 2x 2.54)" jump 161.98,52.45 r180 top locked
L1 "220R@100MHz" INDC1608X95N 112.38,57.95 r90 top
L2 "220R@100MHz" INDC1608X95N 112.38,61.05 r270 top
L3 "220R@100MHz" INDC1608X95N 72.08,87.55 r270 top
L4A "220R@100MHz" INDC1608X95N 57.58,4.975 r90 top (schematic designator L4)
L4B "220R@100MHz" INDC1608X95N 89.98,4.975 r90 top (schematic designator L4)
L4C "220R@100MHz" INDC1608X95N 57.58,14.275 r90 top (schematic designator L4)